# Altium PCB MD2084.PcbDoc (part 1 of 4)
Units mil, origin at the board's own origin, x right, y up, seen from the top; angles counter-clockwise.
Board outline 2480.33 x 1456.84 mil, 6 copper layers (L1_TOP, L2_GND, L3_HS, L4_POWER, L5_GND, L6_BOT), stack 62.954 mil thick; 246 components, 198 nets, 1028 pads, 585 vias.
Unrouted connection lines stored in the file: 92.
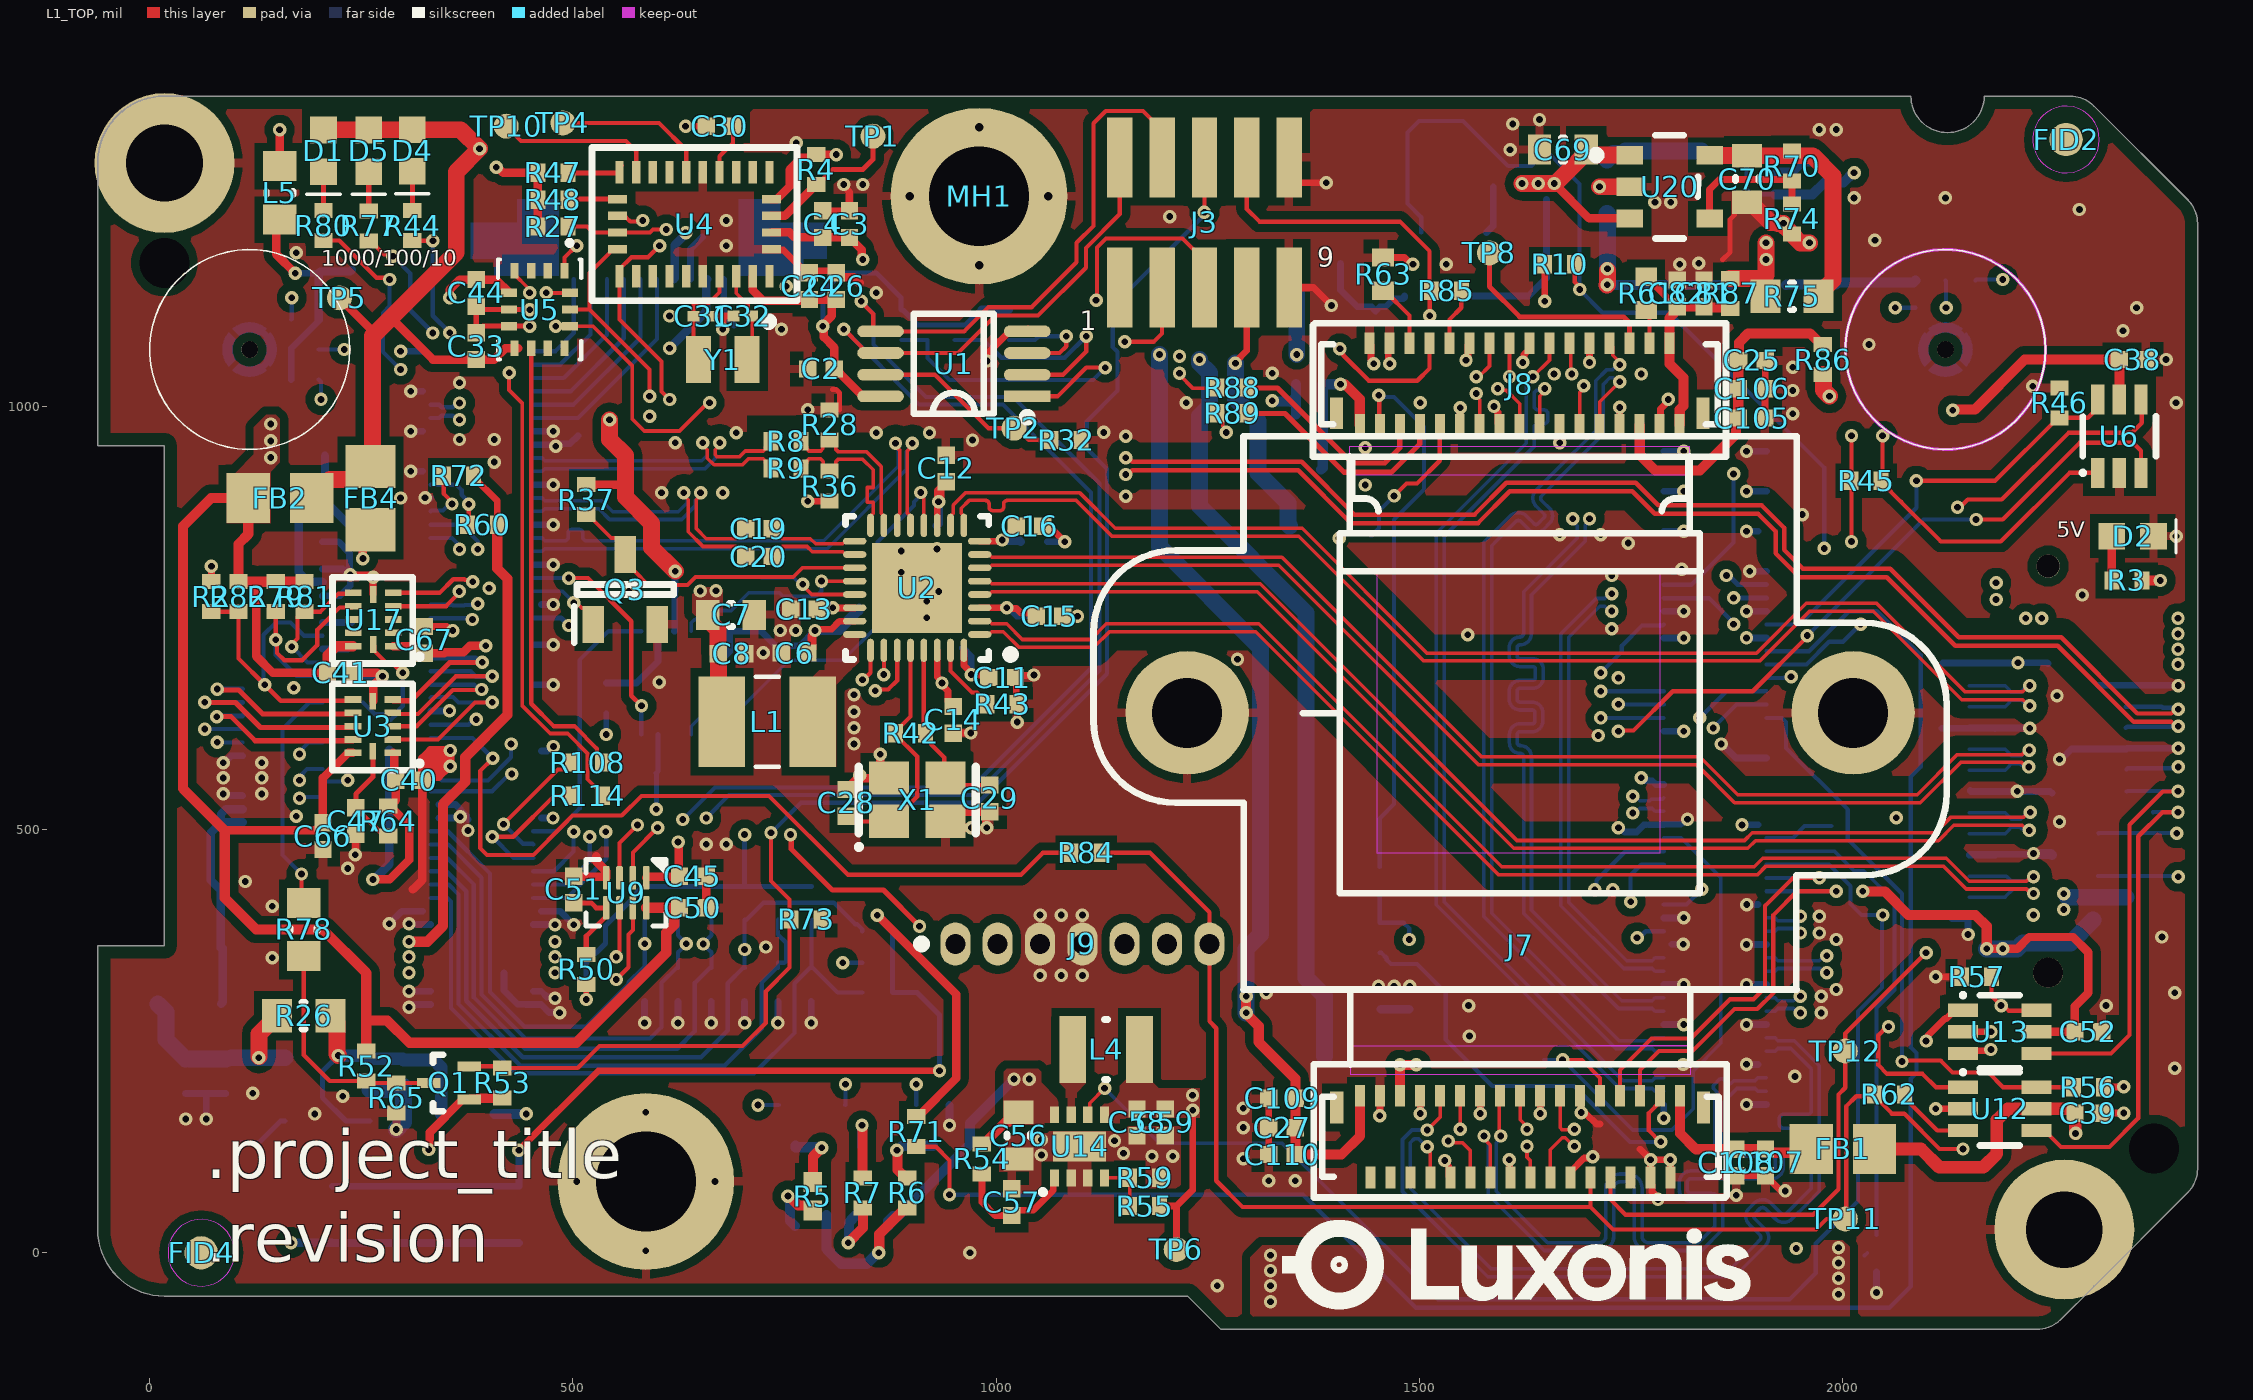
[diagram p0: L1_TOP view]
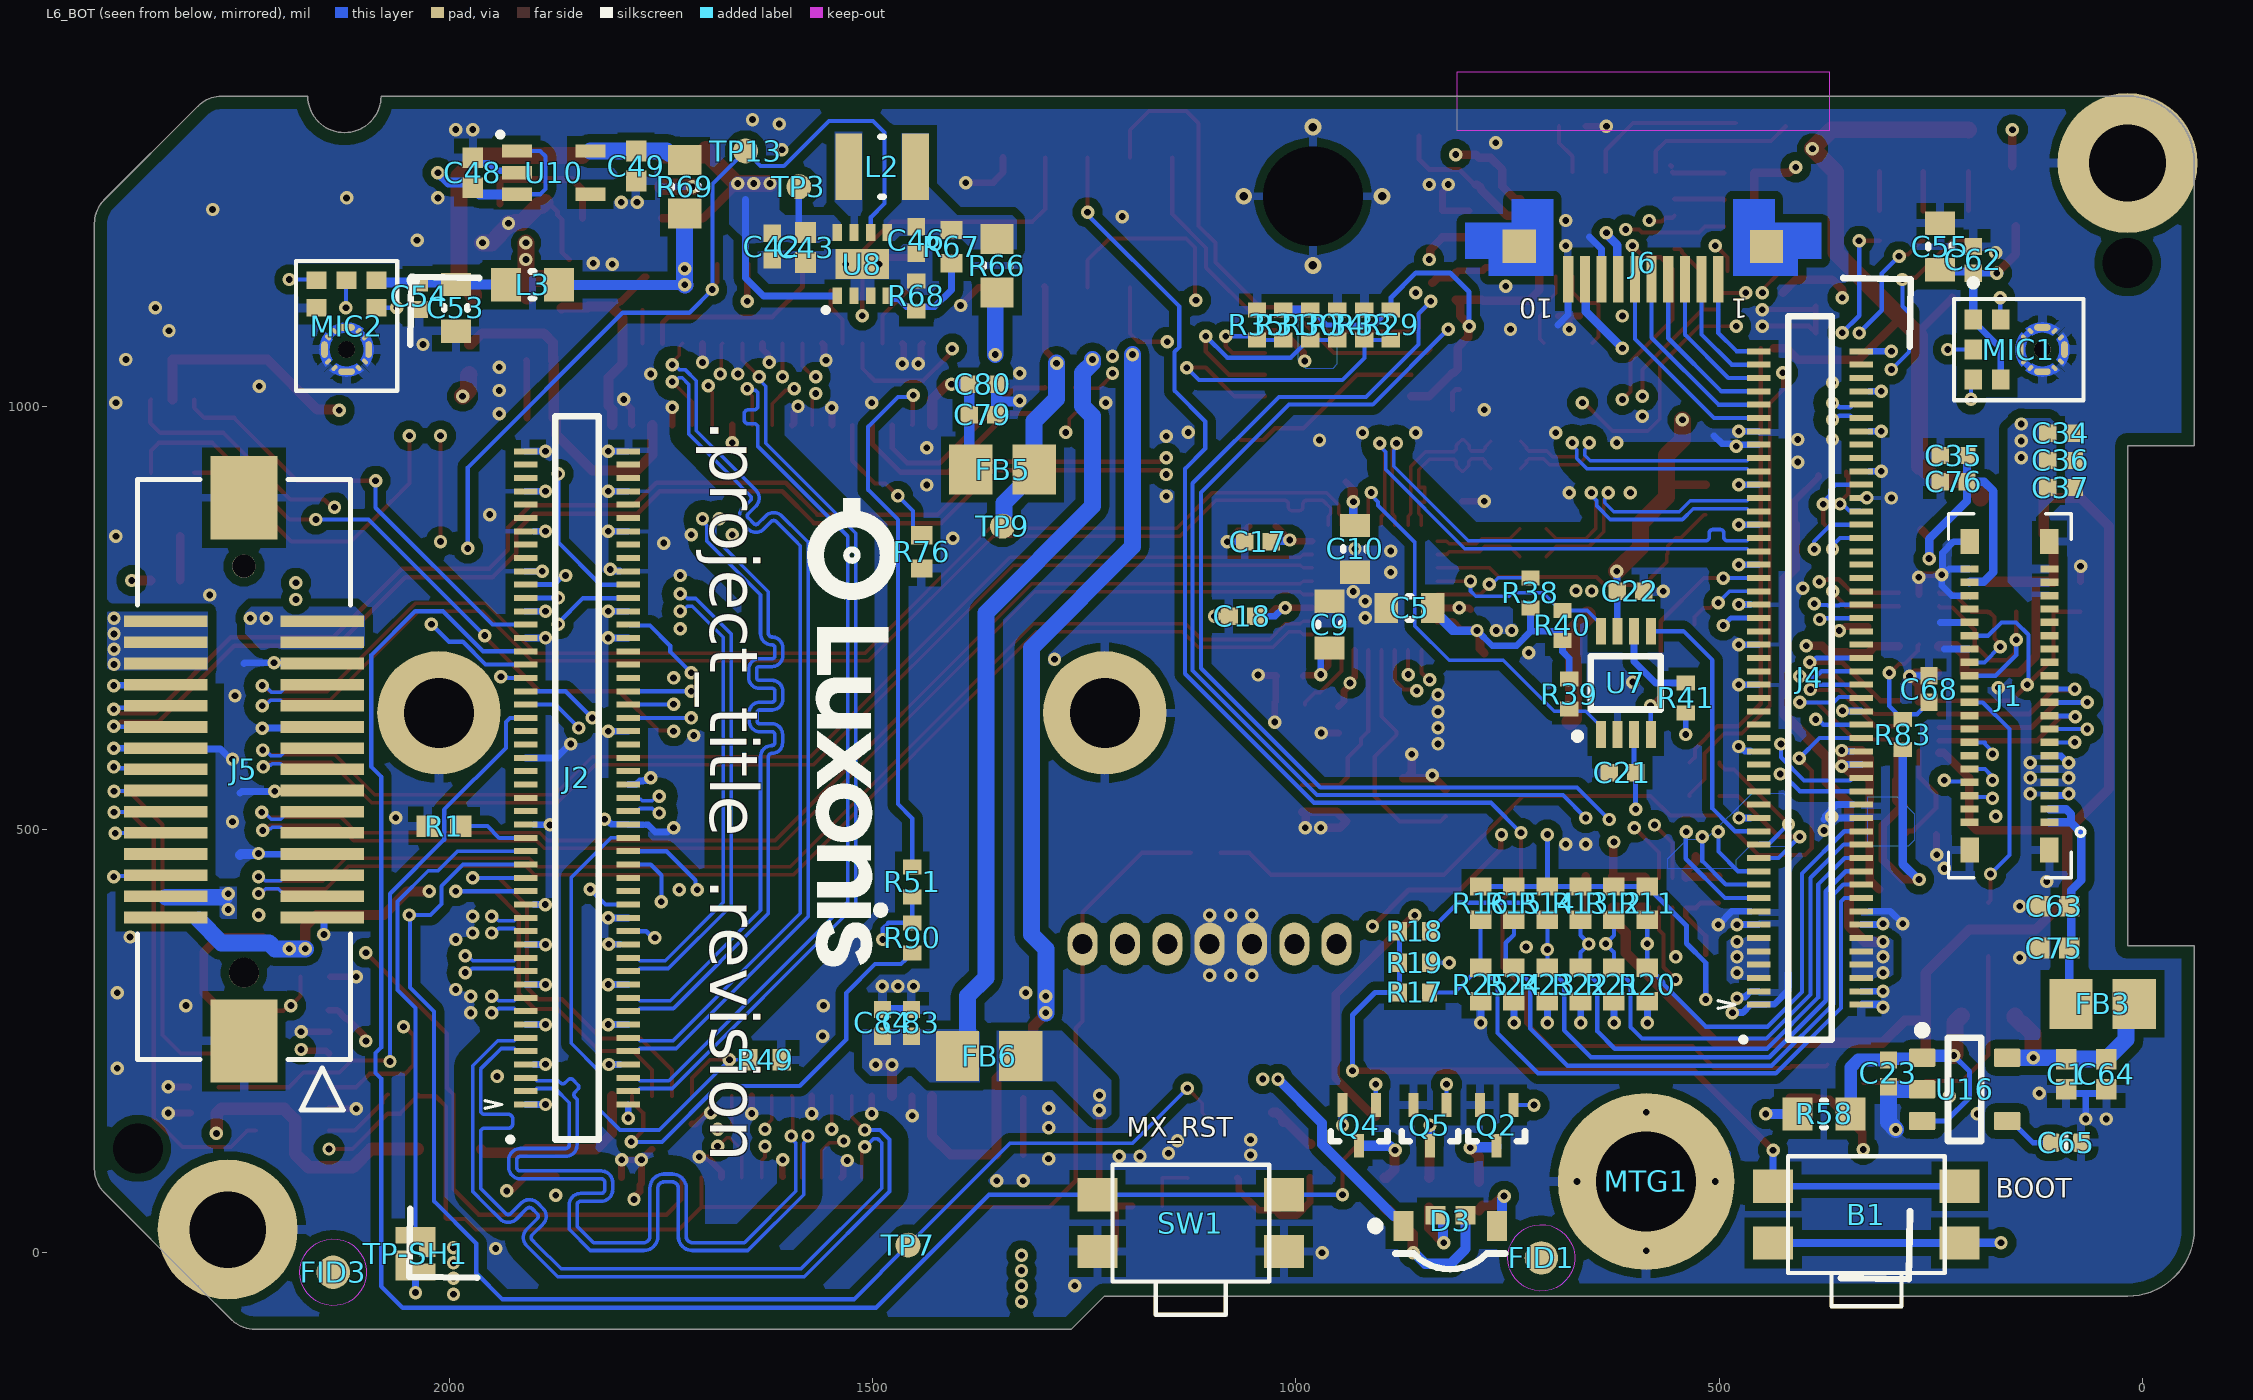
[diagram p1: L6_BOT view, seen from below]
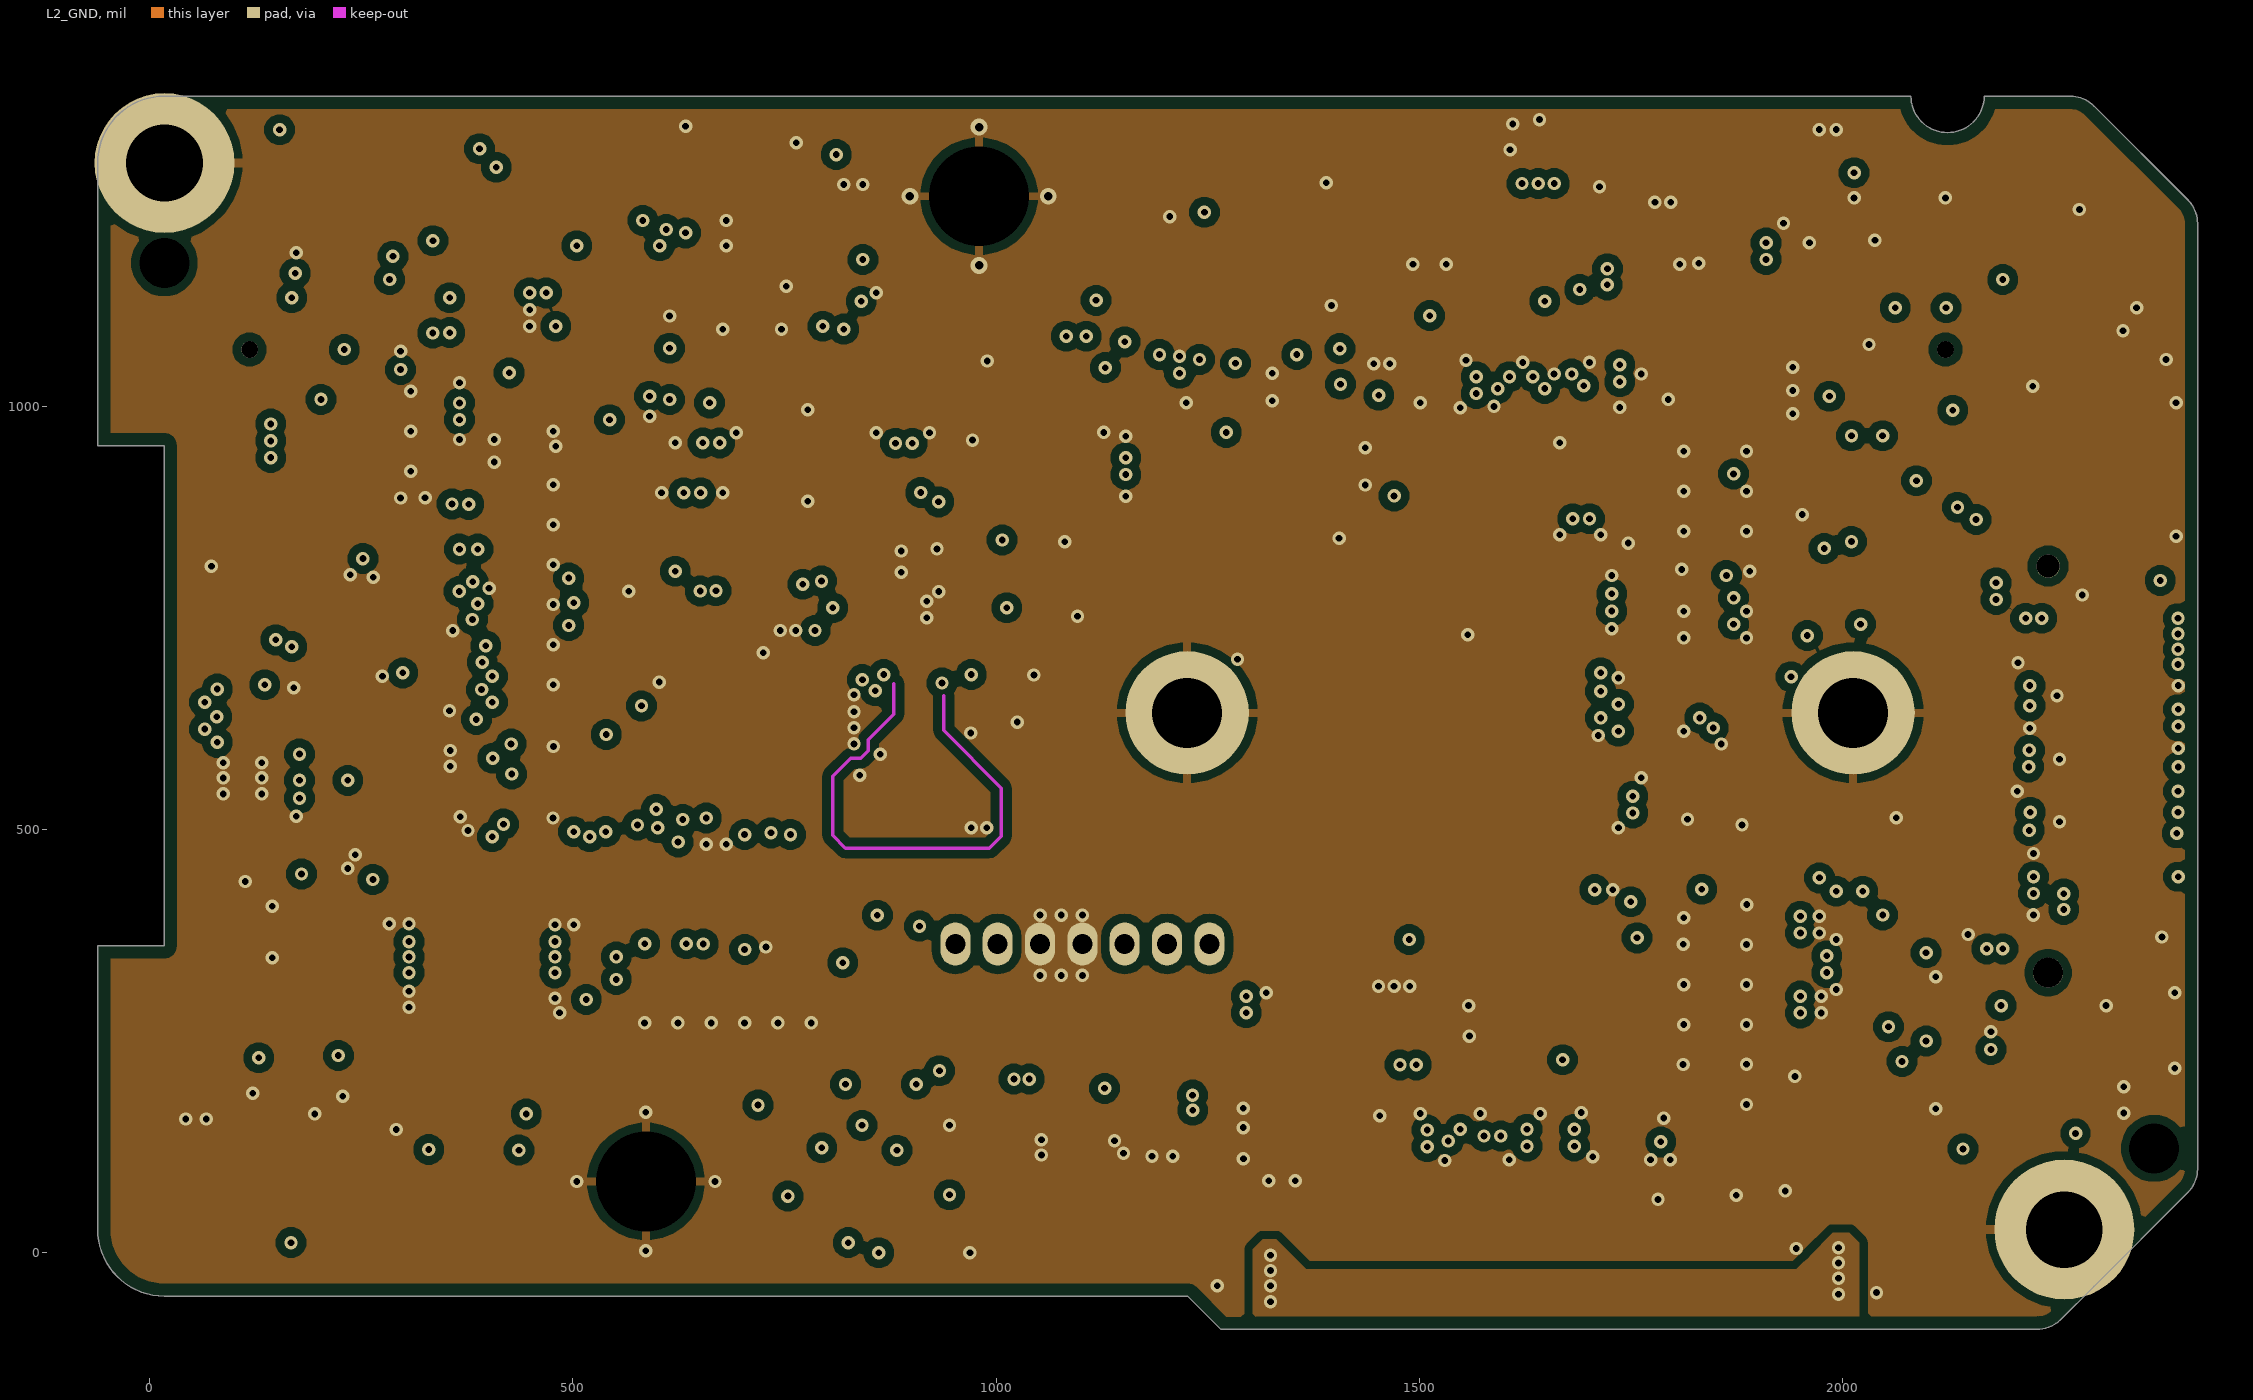
[diagram p2: L2_GND]
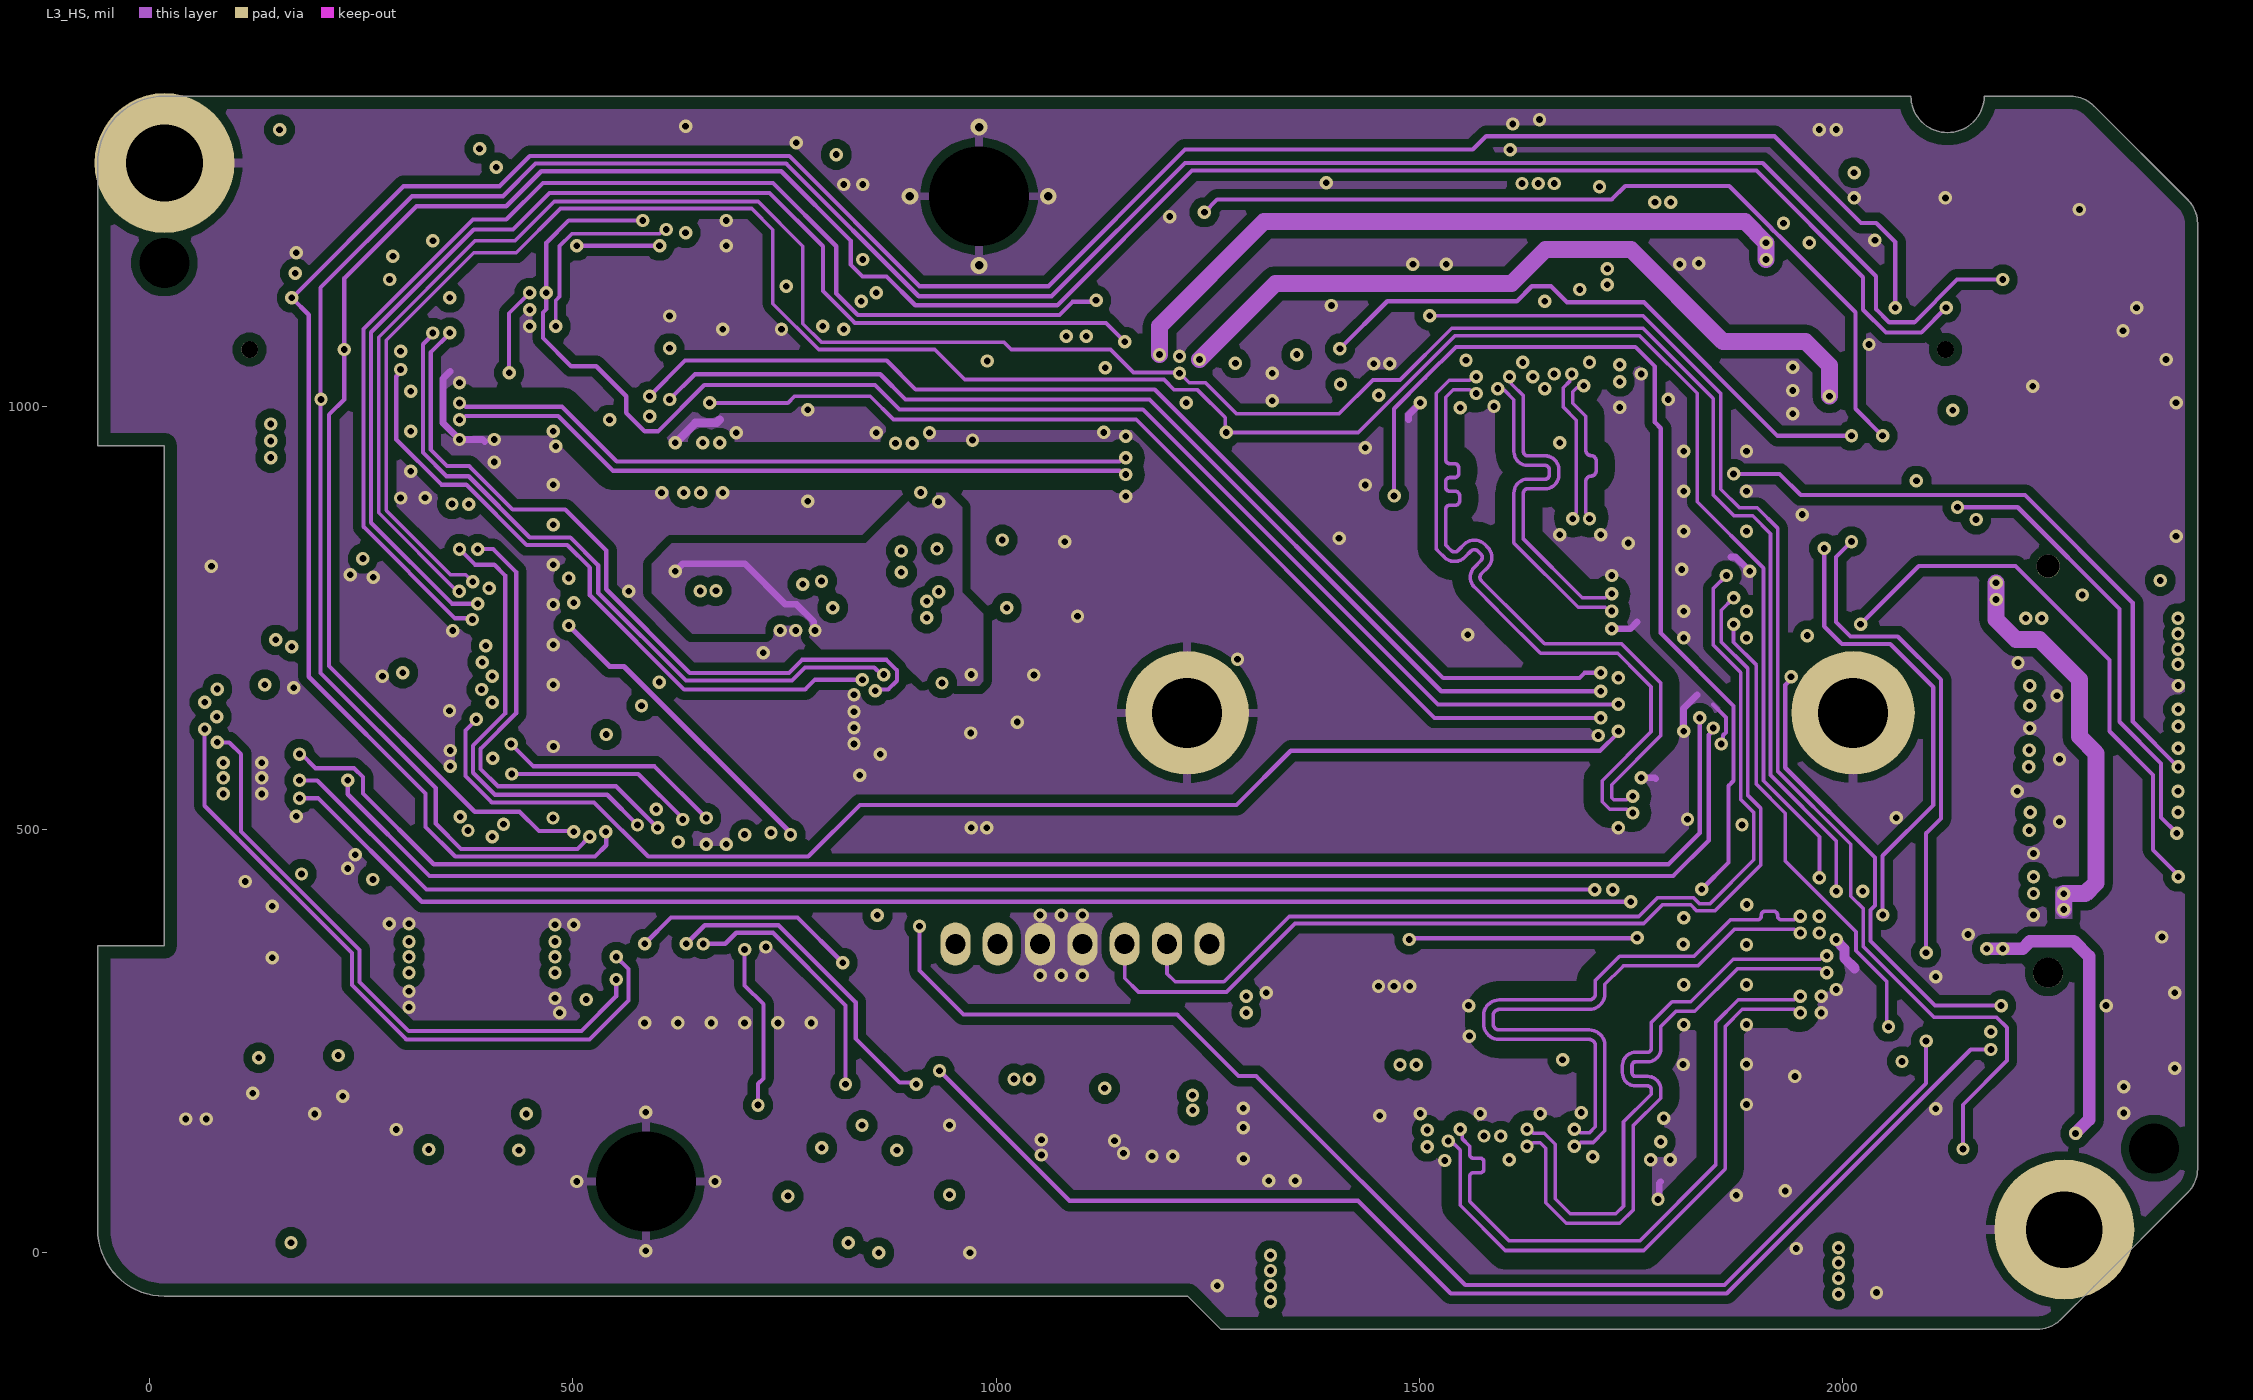
[diagram p3: L3_HS]